# Altium PCB Flow_Pump.PcbDoc (part 1 of 3)
Units mil, origin at the board's own origin, x right, y up, seen from the top; angles counter-clockwise.
Board outline 7992.13 x 7992.13 mil, 2 copper layers (Top Layer, Bottom Layer); 257 components, 182 nets, 857 pads, 2320 vias.
Unrouted connection lines stored in the file: 1.
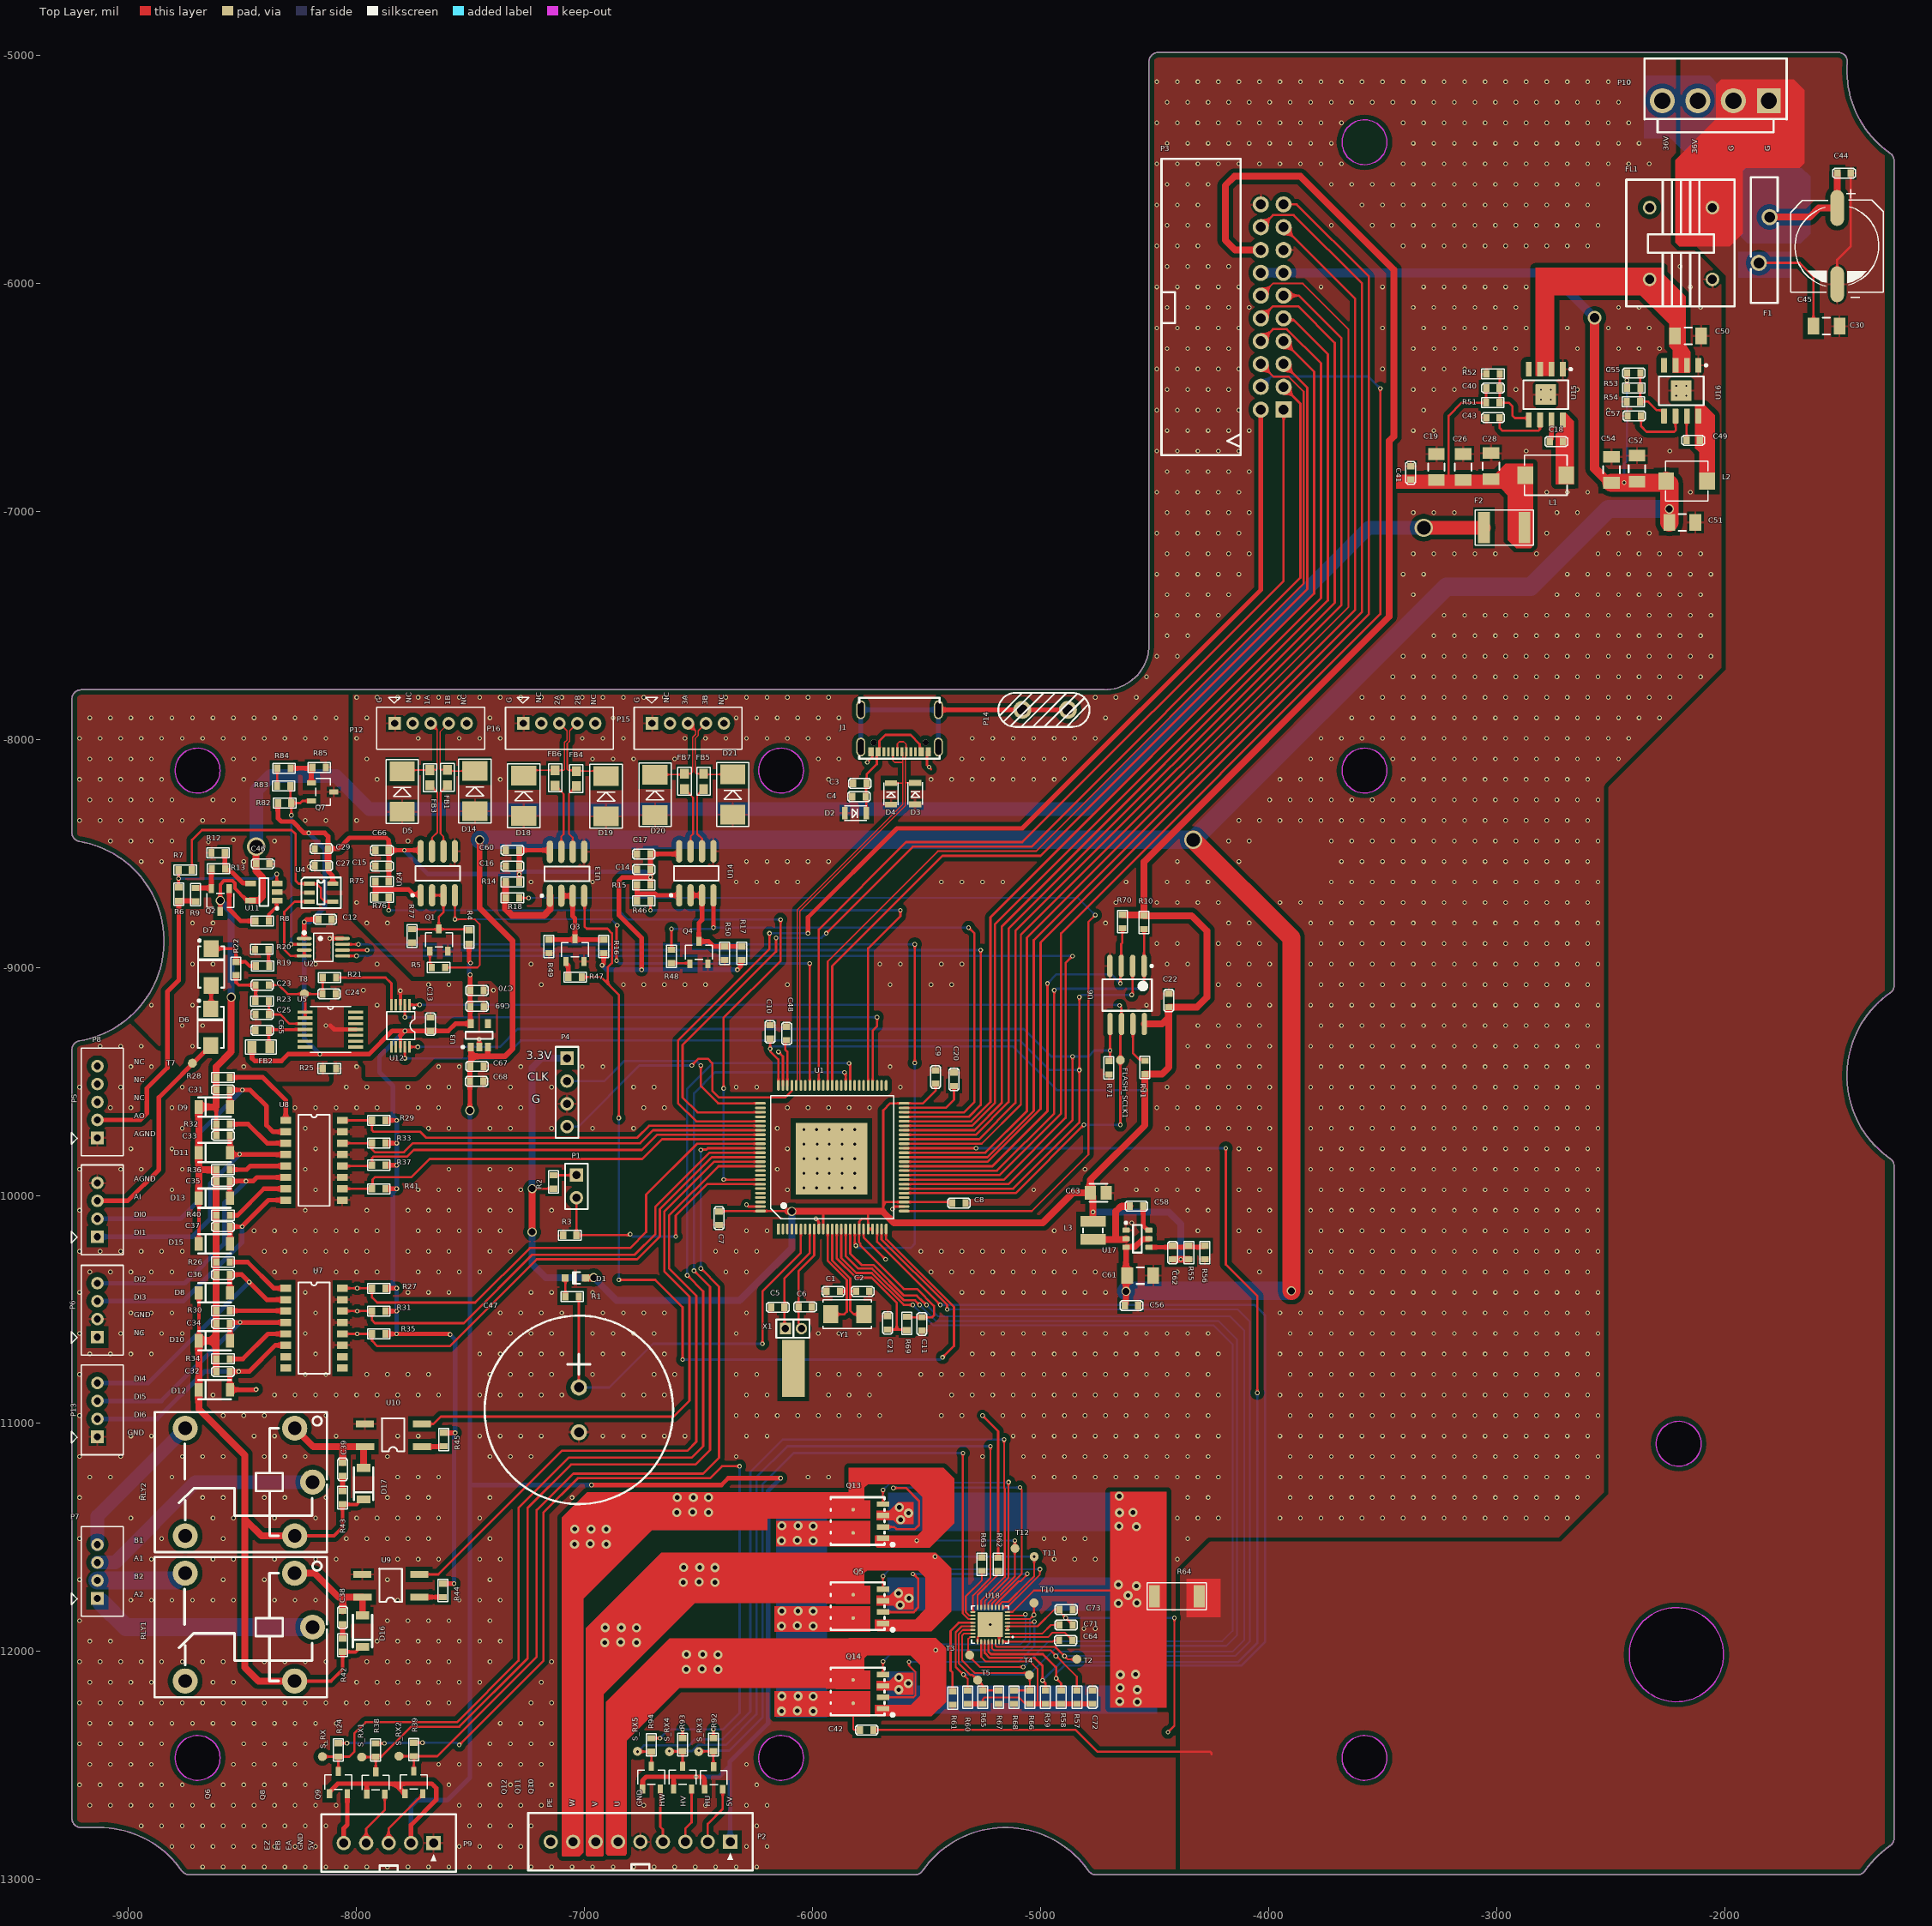
[diagram p0: Top Layer view]
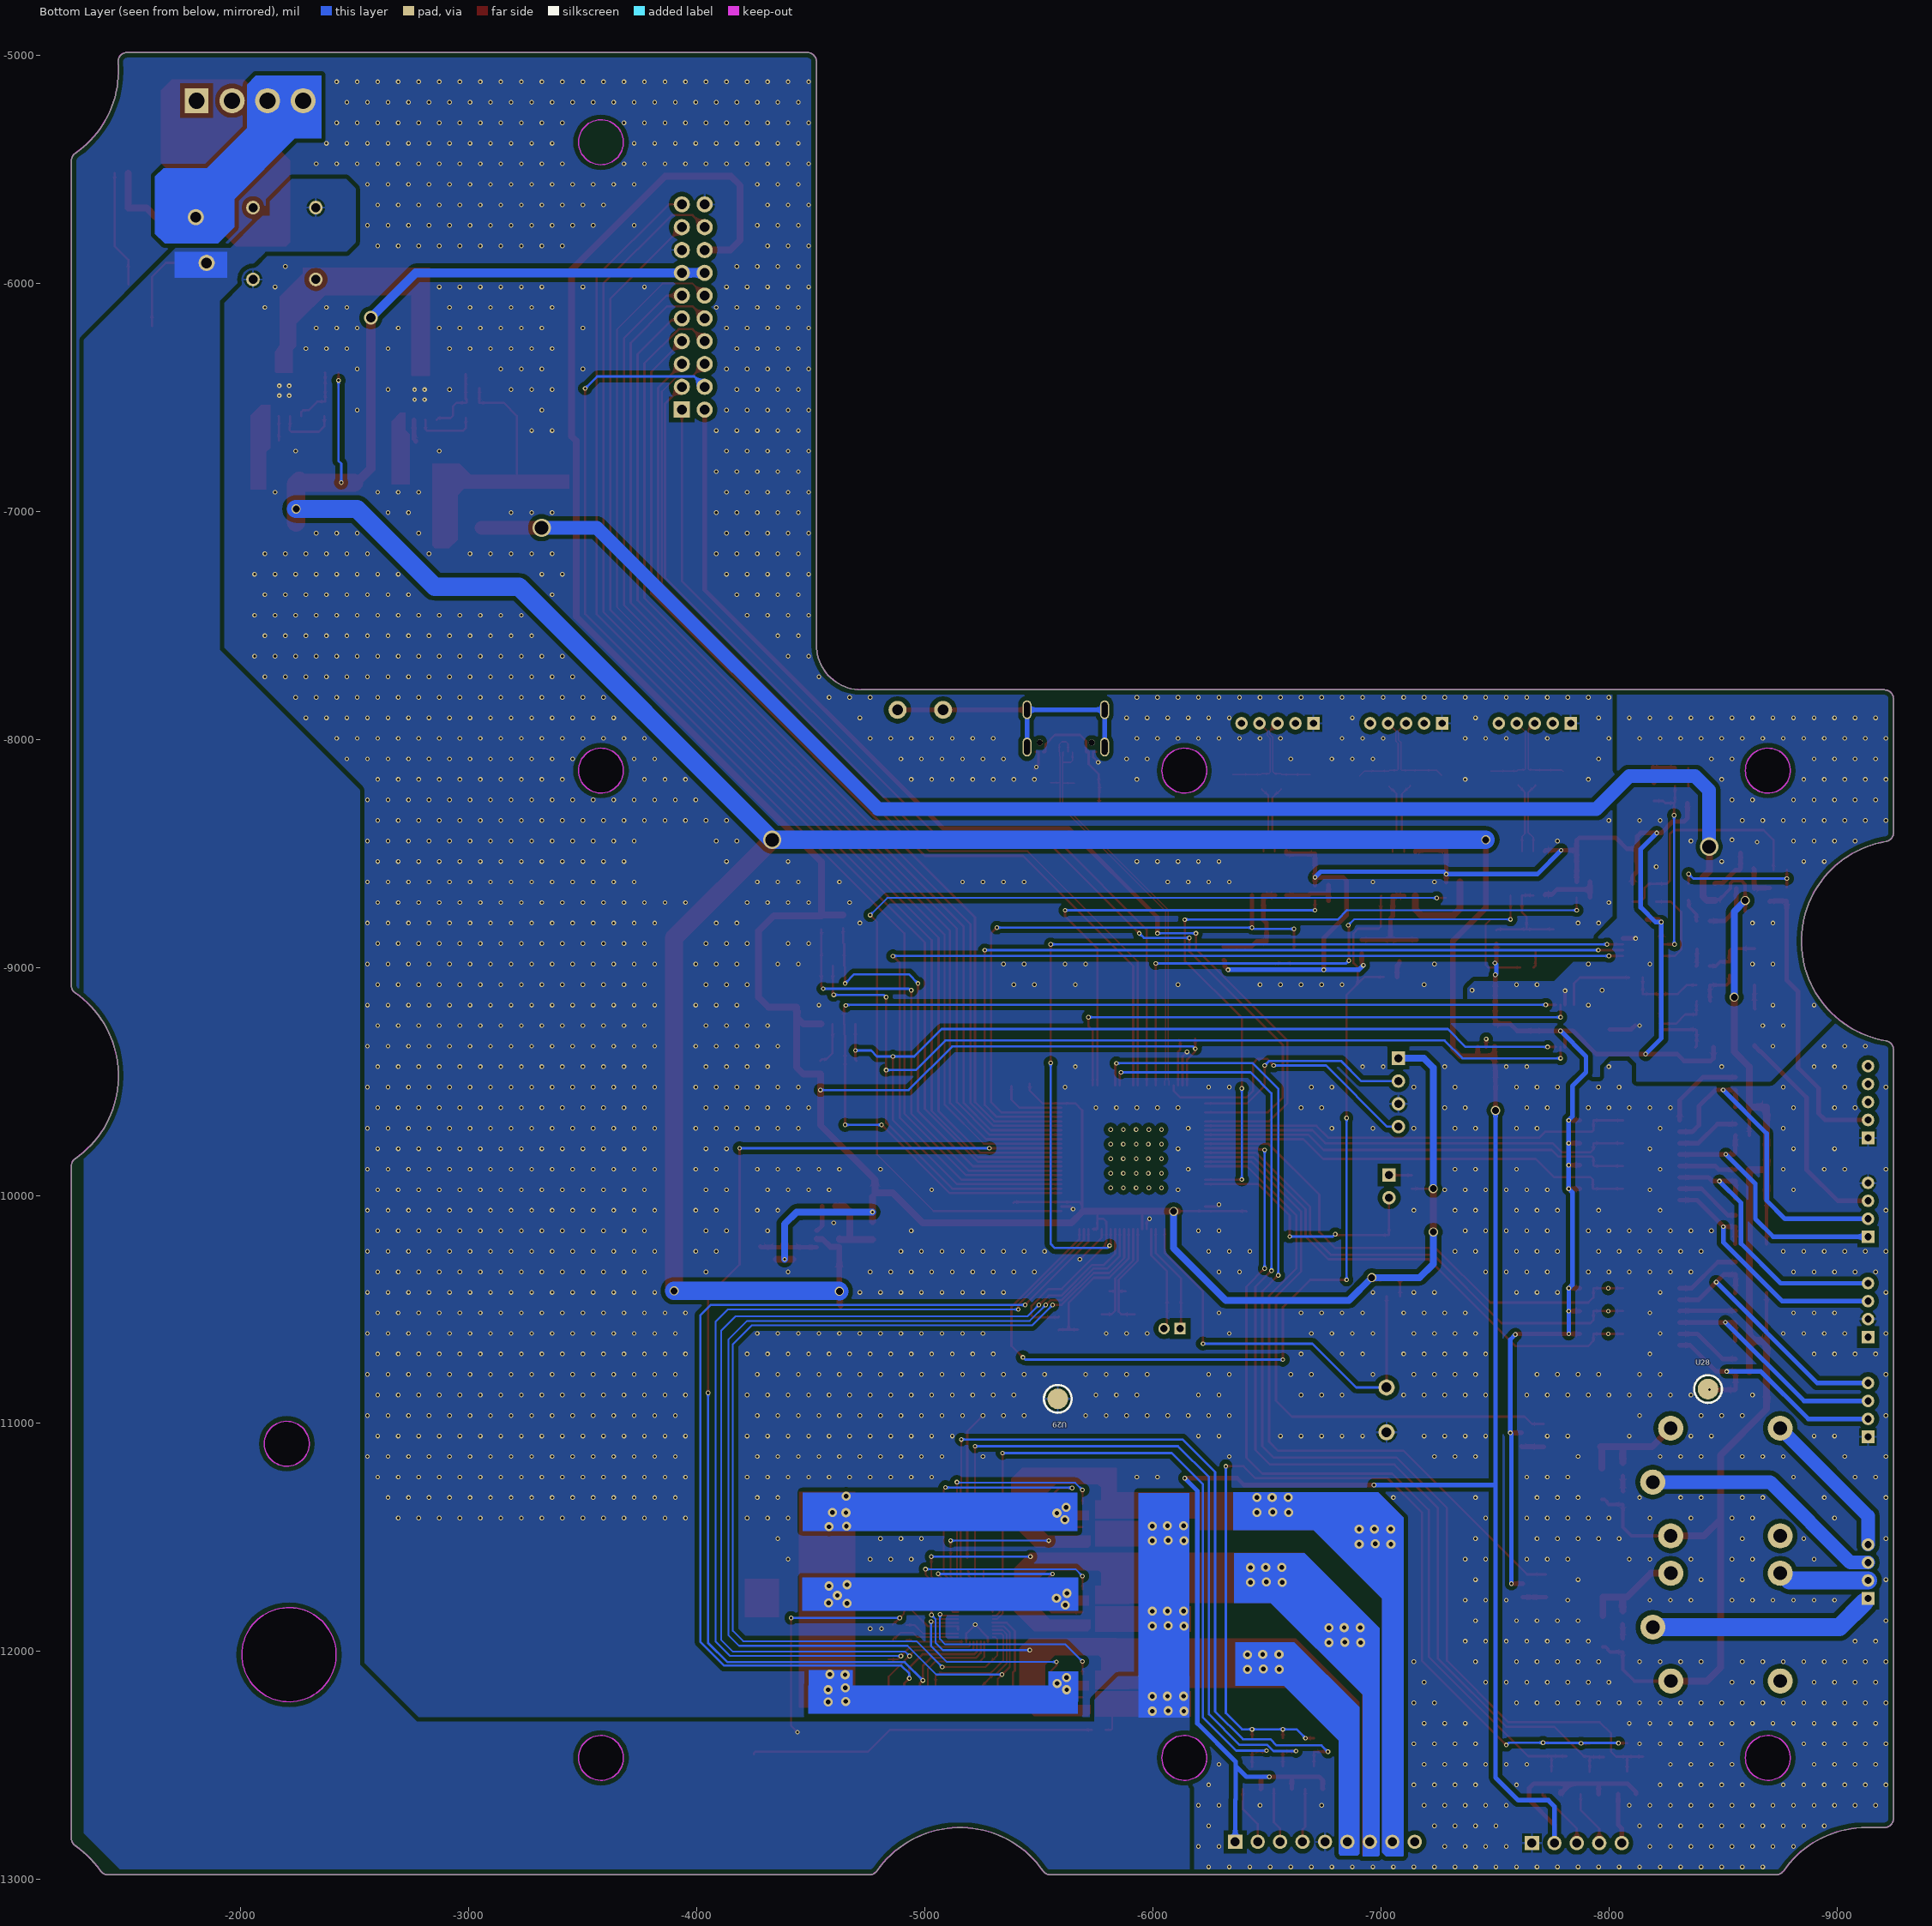
[diagram p1: Bottom Layer view, seen from below]

## Layer stack, top to bottom
Top Solder: solder mask 0.4, Solder Resist, Dk 3.5
Top Layer: signal copper 1.4
Dielectric 1: dielectric 12.6, FR-4, Dk 4.8
Bottom Layer: signal copper 1.4
Bottom Solder: solder mask 0.4, Solder Resist, Dk 3.5

## Board outline
-9209.25,-12772.47 -9130.51,-12772.47 cw(c-9130.51,-13215.38) -8767.03,-12962.29 ccw(c-8734.72,-12939.79) -8734.72,-12979.16 -5549.92,-12979.16 ccw(c-5549.92,-12939.79) -5517.61,-12962.29 cw(c-5154.13,-13215.38) -4790.65,-12962.29 ccw(c-4758.34,-12939.79) -4758.34,-12979.16 -1416.06,-12979.16 ccw(c-1416.06,-12939.79) -1383.75,-12962.29 cw(c-1020.27,-13215.38) -1273.36,-12851.9 ccw(c-1295.86,-12819.59) -1256.49,-12819.59 -1256.49,-9871.01 ccw(c-1295.86,-9871.01) -1273.36,-9838.7 cw(c-1020.27,-9475.22) -1273.36,-9111.74 ccw(c-1295.86,-9079.43) -1256.49,-9079.43 -1256.49,-5461.56 ccw(c-1295.86,-5461.56) -1273.36,-5429.25 cw(c-1020.27,-5065.77) -1461.71,-5029.62 ccw(c-1500.94,-5026.4) -1500.94,-4987.03 -4484.98,-4987.03 ccw(c-4484.98,-5026.4) -4524.35,-5026.4 -4524.35,-7585.46 cw(c-4721.2,-7585.46) -4721.2,-7782.31 -9209.25,-7782.31 ccw(c-9209.25,-7821.68) -9248.62,-7821.68 -9248.62,-8408.86 ccw(c-9209.25,-8408.86) -9215.68,-8447.7 cw(c-9287.99,-8884.67) -9215.68,-9321.64 ccw(c-9209.25,-9360.48) -9248.62,-9360.48 -9248.62,-12733.1 ccw(c-9209.25,-12733.1)

## Design rules (kind name [scope] priority, off if disabled: settings)
Clearance Clearance_1 [InPolygon] p1: gap=20 ignorepadtopadclearanceinfootprint=FALSE
Clearance Clearance_2 [InNet('EARTH')] p2: gap=40 ignorepadtopadclearanceinfootprint=FALSE
Clearance [All] p3: gap=5 ignorepadtopadclearanceinfootprint=FALSE
DiffPairsRouting [All] p1: maxlimit=6 minlimit=6 mostfreqgap=6 toplayer_minwidth=6 toplayer_maxwidth=6 toplayer_prefwidth=6 bottomlayer_minwidth=6 bottomlayer_maxwidth=6 bottomlayer_prefwidth=6 maxuncoupledlength=500
MinimumSolderMaskSliver [All] p1: minsoldermaskwidth=5
PolygonConnect PolygonConnect_1 [IsVia] p1: connectstyle=Direct reliefconductorwidth=10 reliefentries=4 polygonreliefangle="90 Angle" airgapwidth=10
PolygonConnect [All] p2: connectstyle=Relief reliefconductorwidth=10 reliefentries=4 polygonreliefangle="90 Angle" airgapwidth=10
RoutingVias [All] p1: holewidth=28 width=50 viastyle="Through Hole" minholewidth=28 minwidth=50 maxholewidth=28 maxwidth=50
SilkToSilkClearance [All] p1: silktosilkclearance=5
SilkToSolderMaskClearance [IsPad] p1: minsilkscreentomaskgap=0 clearancetoexposedcopper=TRUE
SolderMaskExpansion [All] p1: expansion=4 istentingtop=FALSE
Width [All] p1: maxlimit=150 minlimit=6 preferedwidth=10
26 further rules are at their usual default settings.

## Classes and differential pairs
component class ai: C13 C23 C24 C25 C65 D6 D7 FB2 R19 R20 R21 R22 R23 R25 T7 T8 U5 U12
component class ao: C12 C27 C29 C46 Q2 R6 R7 R8 R9 R12 R13 U2 U4 U11
component class blds: C64 C71 C72 C73 Q5 Q13 Q14 R57 R58 R59 R60 R61 R62 R63 R64 R65 R66 R67 R68 T2 T3 T4 T5 U18
component class DI_DO: C14 C15 C16 C17 C31 C32 C33 C34 C35 C36 C37 C38 C39 C60 C66 D5 D8 D9 D10 D11 D12 D13 D14 D15 D16 D17 D18 D19 D20 D21 FB1 FB3 FB4 FB5 FB6 FB7 P5 P6 P7 P8 P12 P13 P15 P16 Q1 Q3 Q4 R4 R5 R14 R15 R16 R17 R18 R26 R27 R28 R29 R30 R31 R32 R33 R34 R35 R36 R37 R40 R41 R42 R43 R44 R45 R46 R47 R48 R49 R50 R75 R76 R77 RLY1 RLY2 U7 U8 U9 U10 U13 U14 U24 U28 U29
component class mcu: C1 C2 C3 C4 C5 C6 C7 C8 C9 C10 C11 C20 C21 C22 C47 C48 D1 D2 D3 D4 FLASH_SCLK1 J1 P1 P3 P4 R1 R2 R3 R10 R11 R69 R70 R71 U1 U6 X1 Y1
component class power: C18 C19 C26 C28 C30 C40 C41 C42 C43 C44 C45 C49 C50 C51 C52 C54 C55 C56 C57 C58 C61 C62 C63 C67 C68 C69 C70 F1 F2 FL1 L1 L2 L3 P10 P14 Q7 R51 R52 R53 R54 R55 R56 R82 R83 R84 R85 U3 U15 U16 U17
component class sensor: P2 P9 Q6 Q8 Q9 Q10 Q11 Q12 R24 R38 R39 R92 R93 R94 S_RX S_RX1 S_RX2 S_RX3 S_RX4 S_RX5 T10 T11 T12
differential pair rs4853: +rs4853_P -rs4853_N
differential pair rs4852: +rs4852_P -rs4852_N
differential pair rs4851: +rs4851_P -rs4851_N
differential pair USB: +USB_P -USB_N

## Components (designator, comment, footprint, x,y, rotation, side; value= is the part's Value field where it differs from the comment)
C1 "20pF/25V/NC" 0603C -5880,-10420 r180 top value=20pF/50V/NC
C2 "20pF/25V/NC" 0603C -5810,-10420 r0 top value=20pF/50V/NC
C3 "1u/50V" 0603C -5822,-8193 r0 top
C4 "0.1uF/50V" 0603C -5826,-8250 r0 top
C5 "4.7pF/50V" 0603C -6123,-10490 r180 top value=4.7pF
C6 "4.7pF/50V" 0603C -6062,-10489 r0 top
C7 "10uF/16V" 0603C -6410,-10070 r270 top value=10u
C8 "0.1uF/50V" 0603C -5328.94,-10033 r180 top
C9 "0.1uF/50V" 0603C -5460,-9450.94 r270 top
C10 "0.1uF/50V" 0603C -6186,-9253 r270 top
C11 "0.1uF/50V" 0603C -5520,-10593 r90 top
C12 "0.1uF/50V" 0603C -8168,-8789 r0 top
C13 "0.1uF/50V" 0603C -7676,-9278.06 r90 top
C14 "0.1uF/50V" 0603C -6710.94,-8570.33 r180 top
C15 "0.1uF/50V" 0603C -7859,-8554.67 r180 top
C16 "0.1uF/50V" 0603C -7286.94,-8555.67 r180 top
C17 "0.1uF/50V" 0603C -6710.94,-8502 r180 top
C18 "0.1uF/50V" 0603C -2767,-6693 r0 top
C19 "47uF/25V" CAPC3216X156N_1206 -3264,-6805 r90 top
C20 "2.2uF/50V" 0603C -5380,-9460.94 r270 top
C21 "0.1uF/50V" 0603C -5671,-10529 r270 top
C22 "0.1uF/50V" 0603C -4438,-9115 r270 top
C23 "220nF/50V" 0603C -8443.08,-9077.12 r0 top
C24 "0.1uF/50V" 0603C -8150,-9116 r0 top
C25 "0.1uF/50V" 0603C -8443.39,-9206.08 r0 top
C26 "47uF/25V" CAPC3216X156N_1206 -3146,-6805 r90 top
C27 "0.01uF/50V" 0603C -8125,-8553 r180 top value=0.01u
C28 "47uF/25V" CAPC3216X156N_1206 -3024,-6801 r90 top
C29 "0.1uF/50V" 0603C -8125,-8479 r180 top
C30 "10u/50V" CAPC3216X156N_1206 -1553,-6187 r0 top
C31 "10nF/50V" 0603C -8615.43,-9537 r0 top
C32 "10nF/50V" 0603C -8615.43,-10772 r0 top
C33 "10nF/50V" 0603C -8615.43,-9737 r0 top
C34 "10nF/50V" 0603C -8615.43,-10562 r0 top
C35 "10nF/50V" 0603C -8615.43,-9937 r0 top
C36 "10nF/50V" 0603C -8615.43,-10347 r0 top
C37 "10nF/50V" 0603C -8615.43,-10137 r0 top
C38 "0.1uF/50V" 0603C -8061,-11822 r270 top
C39 "0.1uF/50V" 0603C -8061.2,-11171.8 r270 top
C40 "0.01uF/50V" 0603C -3045.06,-6459 r0 top value=0.01u/NC
C41 "0.1uF/50V" 0603C -3376,-6860.06 r90 top
C42 "0.1uF/50V" 0603C -5792,-12344 r0 top
C43 "1uF/50V" 0603C -2986,-6589 r180 top
C44 "10uF/16V" 0603C -1505.06,-5516 r0 top
C45 "UUD1V470MCL1GS" Φ10×10 -1506,-5836 r0 top value=220uF/50V
C46 "0.1uF/50V" 0603C -8441,-8545 r0 top
C47 "CEN5R5155CF-ZG" CAP-TH_BD21.0-P5.00-D0.8_CENXXX-CF -7025,-10940.42 r270 top
C48 "2.2uF/50V" 0603C -6114,-9259.94 r270 top
C49 "0.1uF/50V" 0603C -2167.06,-6688 r0 top
C50 "10u/50V" CAPC3216X156N_1206 -2160,-6230 r0 top
C51 "47uF/25V" CAPC3216X156N_1206 -2185,-7048 r0 top
C52 "47uF/25V" CAPC3216X156N_1206 -2384,-6812 r90 top
C54 "47uF/25V" CAPC3216X156N_1206 -2496,-6817 r90 top
C55 "0.01uF/50V" 0603C -2428,-6392 r0 top value=0.01u/NC
C56 "0.1uF/50V" 0603C -4630.88,-10483.34 r0 top
C57 "1uF/50V" 0603C -2366,-6581 r180 top
C58 "0.1uF/50V" 0603C -4549.77,-10046.34 r180 top
C60 "0.1uF/50V" 0603C -7286.94,-8486 r180 top
C61 "10u/50V" CAPC3216X156N_1206 -4562.82,-10351.34 r0 top
C62 "0.1uF/50V" 0603C -4420,-10280 r90 top
C63 "22u/25V" CAPC2012X127N_0805 -4746.82,-9988.34 r0 top
C64 "22nF/50V" 0603C -4919.05,-11950.92 r0 top
C65 "0.1uF/50V" 0603C -8384.94,-9276 r180 top
C66 "0.1uF/50V" 0603C -7859,-8486 r180 top
C67 "0.1uF/50V" 0603C -7502,-9433 r0 top
C68 "10uF/16V" 0603C -7503,-9500 r0 top value=10u
C69 "10uF/16V" 0603C -7501,-9171 r0 top value=10u
C70 "0.1uF/50V" 0603C -7502,-9101 r0 top
C71 "1uF/50V" 0603C -4918,-11883.92 r0 top
C72 "1uF/50V" 0603C -4772,-12230 r90 top
C73 "1uF/50V" 0603C -4918,-11815.92 r0 top
D1 "BZT52C12S-7-F" DIOD-SOD323-2_V -7041,-10362 r180 top
D2 "CESDB5V0D3" SOD323 -5858.49,-8323 r0 top
D3 "CESDB5V0D3" SOD323 -5550,-8284.49 r90 top
D4 "CESDB5V0D3" SOD323 -5656,-8285.49 r90 top value=0.1uF/50V
D5 "SMBJ400CA" SMB -7800,-8317.17 r90 top
D6 "SS14" DO-214AC -8640,-9262 r90 top
D7 "SS14" DO-214AC -8638,-8998 r90 top
D8 "LL4148" DO-213AB/LL34/MINIMELF -8623.39,-10427 r0 top
D9 "LL4148" DO-213AB/LL34/MINIMELF -8623.39,-9612 r0 top
D10 "LL4148" DO-213AB/LL34/MINIMELF -8623.39,-10637 r0 top
D11 "LL4148" DO-213AB/LL34/MINIMELF -8623.39,-9812 r0 top
D12 "LL4148" DO-213AB/LL34/MINIMELF -8623.39,-10852 r0 top
D13 "LL4148" DO-213AB/LL34/MINIMELF -8623.39,-10012 r0 top
D14 "SMBJ400CA" SMB -7481,-8315.17 r90 top
D15 "LL4148" DO-213AB/LL34/MINIMELF -8623.39,-10212 r0 top
D16 "LL4148" DO-213AB/LL34/MINIMELF -7974,-11911 r90 top
D17 "LL4148" DO-213AB/LL34/MINIMELF -7969,-11264 r90 top
D18 "SMBJ400CA" SMB -7267,-8335.17 r90 top
D19 "SMBJ400CA" SMB -6906,-8337.17 r90 top
D20 "SMBJ400CA" SMB -6691,-8331 r90 top
D21 "SMBJ400CA" SMB -6350,-8330.17 r90 top
F1 "BH16-800" FUSE-TH_L14.0-W3.0-P5.10-D0.8-LS1.20 -1826,-5809 r270 top value=BSMD1812-110-24V
F2 "BSMD1812-110-24V" 1812-F -2878,-7071 r180 top
FB1 "PE-0603PFB121ST" FBC0603 -7602,-8199.93 r90 top
FB2 "JWWBW2012 M600HT" 0805R -8459,-9349 r0 top
FB3 "PE-0603PFB121ST" FBC0603 -7678,-8200.93 r90 top
FB4 "PE-0603PFB121ST" FBC0603 -7036,-8204.93 r90 top
FB5 "PE-0603PFB121ST" FBC0603 -6478,-8216.93 r90 top
FB6 "PE-0603PFB121ST" FBC0603 -7129,-8201.93 r90 top
FB7 "PE-0603PFB121ST" FBC0603 -6562,-8216.93 r90 top
FL1 "XRSQ1010-10MH-H" IND-TH_4P-L14.0-W12.0_XRSQ1010-10MH-H -2190.8,-5824.48 r270 top
FLASH_SCLK1 "TP" TPD#1 -4650,-9405.74 r270 top
J1 "TYPE C_16P" TYPEC_16P -5618.13,-7885 r180 top
L1 "SMMS0420-100M" IND-SMD_L4.5-W4.5_SMMS0420 -2784,-6841 r0 top
L2 "SMMS0420-100M" IND-SMD_L4.5-W4.5_SMMS0420 -2166,-6866 r0 top
L3 "WPN252012H2R2MTY01" PULS-BDCD00252012_V -4769.82,-10153.34 r90 top value=BDCD002520122R2MS1
P1 "Header 2" HDR1X2 -7036,-9910 r270 top
P2 "WAFER-XH2.54-9PZZ" XA2.5-9P -6754.98,-12835 r0 top
P3 "BH254V-20P" IDC-TH_20P-L33.0-W13.8-H-M-R2-C10-P2.54-S2.54-TR -3984,-6103 r270 top
P4 "PZ254V-11-04P" HDR1X4 -7077,-9398 r270 top
P5 "WAFER-PH2.0-4PZZ" CONN#PH2.0-4A -9137,-10181.09 r0 top
P6 "WAFER-PH2.0-4PZZ" CONN#PH2.0-4A -9137,-10621.09 r0 top
P7 "WAFER-PH2.0-4PZZ" CONN#PH2.0-4A -9137,-11767.35 r0 top
P8 "WAFER-PH2.0-5PZZ" CONN#PH2.0-5A -9137,-9747.35 r0 top
P9 "WAFER-XH2.54-5PZZ" XA2.5-5P -7859.57,-12840.36 r0 top
P10 "B4P-VH(LF)(SN)" CONN-TH_4P-P3.96_HX-VH3.96-4P-ZZ -2039.14,-5198 r180 top
P12 "WAFER-PH2.0-5PZZ" CONN#PH2.0-5A -7832.48,-7929 r270 top
P13 "WAFER-PH2.0-4PZZ" CONN#PH2.0-4A -9137,-11058.57 r0 top
P14 "Header 2" 插片端子4.8*0.8mm -4880,-7870 r180 top
P15 "WAFER-PH2.0-5PZZ" CONN#PH2.0-5A -6704,-7929 r270 top
P16 "WAFER-PH2.0-5PZZ" CONN#PH2.0-5A -7268.24,-7929 r270 top
Q1 "MMBT3904" SOT23-3 -7678.37,-8929.43 r270 top
Q2 "S8050" SOT23-3 -8558.63,-8654.57 r90 top
Q3 "MMBT3904" SOT23-3 -7081.74,-8973 r270 top
Q4 "MMBT3904" SOT23-3 -6538,-8984 r270 top
Q5 "AGM609MNA" DFN-8_L5.5-W5.2-P1.27-LS6.0-BL-EP2 -5756.65,-11802.32 r90 top
Q6 "SI2306" SOT23-3 -8119.37,-12624.66 r270 top
Q7 "TLV431BQDBZR" SOT23-3 -8198.43,-8190.63 r180 top
Q8 "SI2306" SOT23-3 -7955.37,-12626.66 r270 top
Q9 "SI2306" SOT23-3 -7788.37,-12623.66 r270 top
Q10 "SI2306" SOT23-3 -6473,-12604.23 r270 top
Q11 "SI2306" SOT23-3 -6609.37,-12602.66 r270 top
Q12 "SI2306" SOT23-3 -6746.47,-12602.66 r270 top
Q13 "AGM609MNA" DFN-8_L5.5-W5.2-P1.27-LS6.0-BL-EP2 -5756.65,-11428.82 r90 top
Q14 "AGM609MNA" DFN-8_L5.5-W5.2-P1.27-LS6.0-BL-EP2 -5756.65,-12175.82 r90 top
R1 "1K/1%1" 0603R -7084,-10443 r0 top
R2 "10k/1%" 0603R -7136,-9970.06 r90 top
R3 "100k/1%" 0603R -7035,-10173.94 r180 top
R4 "10K/1%" 0603R -7507,-8837 r270 top
R5 "1K/1%1" 0603R -7611,-9000 r180 top value=1K
R6 "100k/1%" 0603R -8780,-8648.94 r270 top
R7 "100k/1%" 0603R -8721.94,-8572 r180 top
R8 "1K/1%1" 0603R -8444.06,-8796 r0 top
R9 "100/0.1%" 0603R -8706,-8651 r270 top
R10 "100k/1%" 0603R -4546,-8772.94 r270 top
R11 "100k/1%" 0603R -4542,-9468.06 r90 top
R12 "100k/1%" 0603R -8637.06,-8497 r0 top
R13 "200K" 0603R -8576,-8566 r180 top
R14 "10K/1%" 0603R -7346,-8625.33 r0 top
R15 "10K/1%" 0603R -6770,-8638.67 r0 top
R16 "10K/1%" 0603R -6916,-8877.94 r270 top
R17 "10K/1%" 0603R -6311,-8907.94 r270 top
R18 "100" 0603R -7346,-8695 r0 top
R19 "0" 0603R -8382.94,-8994 r180 top
R20 "49.9R_1%" 0603R -8445,-8921 r0 top
R21 "10K/1%" 0603R -8089.94,-9044 r180 top value=10k
R22 "51K" 0603R -8529,-9034.06 r90 top
R23 "51K" 0603R -8385.26,-9147.53 r180 top
R24 "10k/1%" 0603R -8080,-12402.17 r270 top
R25 "0" 0603R -8090,-9443 r180 top
R26 "3.3K/1%" 0603R -8556.37,-10292 r180 top
R27 "5.1K/1%" 0603R -7873.39,-10407 r180 top
R28 "3.3K/1%" 0603R -8556.37,-9482 r180 top
R29 "5.1K/1%" 0603R -7873.39,-9670.54 r180 top
R30 "3.3K/1%" 0603R -8556.37,-10505.54 r180 top
R31 "5.1K/1%" 0603R -7873.39,-10507 r180 top
R32 "3.3K/1%" 0603R -8556.37,-9687 r180 top
R33 "5.1K/1%" 0603R -7873.39,-9770.54 r180 top
R34 "3.3K/1%" 0603R -8556.37,-10717 r180 top
R35 "5.1K/1%" 0603R -7873.45,-10607 r180 top
R36 "3.3K/1%" 0603R -8556.37,-9887 r180 top
R37 "5.1K/1%" 0603R -7873.39,-9867 r180 top
R38 "10k/1%" 0603R -7916,-12403.23 r270 top
R39 "10k/1%" 0603R -7749,-12400.23 r270 top
R40 "3.3K/1%" 0603R -8556.37,-10087 r180 top
R41 "5.1K/1%" 0603R -7873.39,-9970.54 r180 top
R42 "51K" 0603R -8061.2,-11942.75 r270 top
R43 "51K" 0603R -8062,-11295.94 r270 top
R44 "510" 0603R -7622,-11761.8 r90 top
R45 "510" 0603R -7617,-11100 r90 top
R46 "100" 0603R -6770,-8707 r0 top
R47 "1K/1%1" 0603R -7012,-9042 r180 top value=1K
R48 "1K/1%1" 0603R -6619,-8921.94 r270 top value=1K
R49 "10K/1%" 0603R -7156,-8937 r90 top
R50 "10K/1%" 0603R -6386,-8967 r90 top
R51 "100k/1%" 0603R -2987,-6523 r180 top
R52 "4.3k/1%" 0603R -3045,-6397 r0 top
R53 "100k/1%" 0603R -2368.94,-6458 r180 top
R54 "24.9k/1%" 0603R -2429.06,-6518 r0 top
R55 "33k/1%" 0603R -4350,-10220.94 r270 top
R56 "10k/1%" 0603R -4280,-10280 r90 top
R57 "10K/1%" 0603R -4840.78,-12170.94 r270 top
R58 "10K/1%" 0603R -4909.56,-12170.94 r270 top
R59 "10K/1%" 0603R -4978.33,-12170.94 r270 top
R60 "10K/1%" 0603R -5320,-12171 r270 top
R61 "0" 0603R -5386,-12174.94 r270 top
R62 "0" 0603R -5257,-11647 r90 top
R63 "0" 0603R -5186,-11648 r90 top
R64 "0.05" 2010R -4304,-11758 r180 top
R65 "10K/1%" 0603R -5253.44,-12230 r90 top
R66 "10K/1%" 0603R -5047.11,-12230 r90 top
R67 "0" 0603R -5184.67,-12170.94 r270 top
R68 "0" 0603R -5115.89,-12170.94 r270 top
R69 "10k/1%" 0603R -5587,-10532 r270 top
R70 "100k/1%" 0603R -4641,-8768.94 r270 top
R71 "100k/1%" 0603R -4700,-9410 r270 top
R75 "10K/1%" 0603R -7918.06,-8623.33 r0 top
R76 "100" 0603R -7918.06,-8692 r0 top
R77 "10K/1%" 0603R -7757,-8891.06 r90 top
R82 "100/0.1%" 0603R -8345,-8279 r0 top
R83 "20K/0.1%" 0603R -8289.94,-8204 r180 top
R84 "200/0.1%" 0603R -8348.06,-8126 r0 top
R85 "20K/0.1%" 0603R -8194.06,-8122 r0 top
R92 "10k/1%" 0603R -6435.15,-12379.23 r270 top
R93 "10K/1%" 0603R -6570,-12379.23 r270 top
R94 "10k/1%" 0603R -6707.1,-12380.17 r270 top
RLY1 "SRD-05VDC-SL-C" RELAY-TH_SRD-XXVDC-XL-C -8472.47,-11893.2 r180 top
RLY2 "SRD-05VDC-SL-C" RELAY-TH_SRD-XXVDC-XL-C -8472,-11257 r180 top